# Altium PCB Minion.PcbDoc (part 9 of 10) (continued)
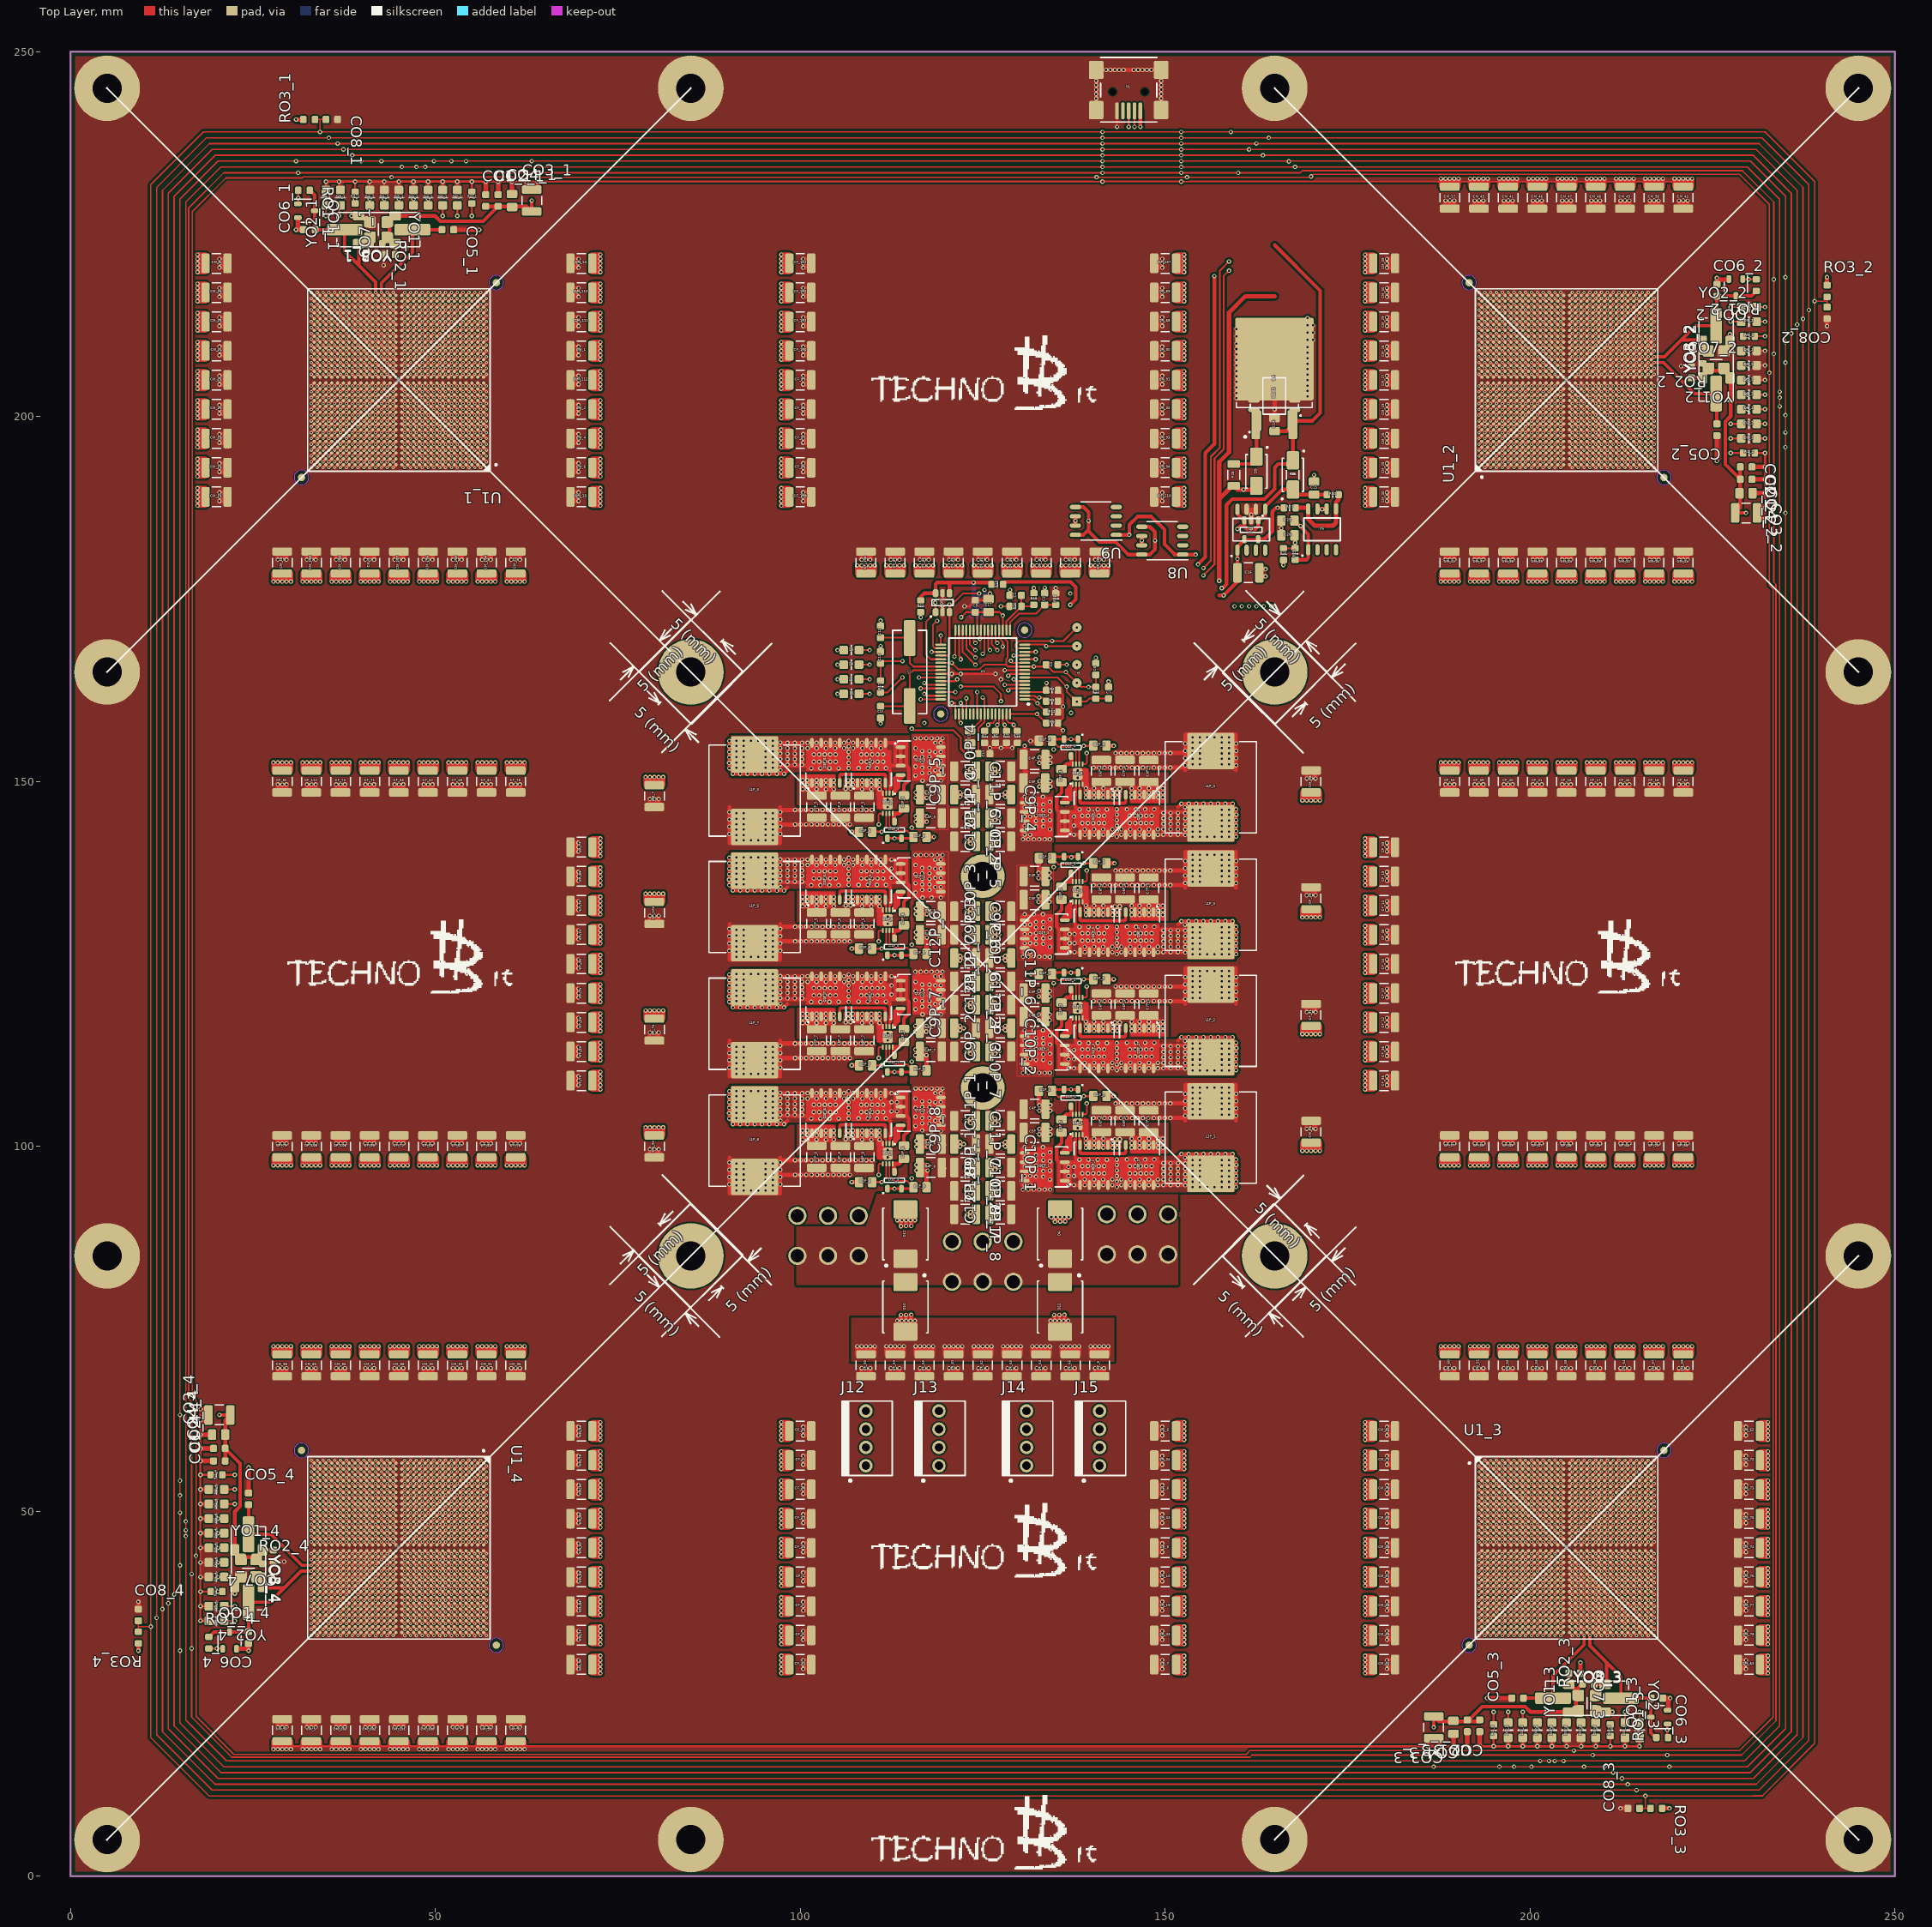
[diagram p0: Top Layer view]
## Nets (pads, with @x,y where several pads share a name; then routed paths per layer and width w, separated by ;. In a path a pad name is that pad's centre, name@x,y a point inside that pad or via, vN(x,y) a via of type N, cw(c..) or ccw(c..) an arc to the next point about the centre after c; other vN are vias at no path point) (continued)
  Top Layer w0.4: 111.5,136.35 111.685,136.165 112.324,135.525
  Top Layer w0.45: 112.33,133.145 112.33,135.52
  Top Layer w0.5: L1P_6.1@90.525,135.9 v1(91.25,135.9) v1(92.25,135.9) L1P_6.1@93.25,135.9 ; L1P_6.1@91.25,136.465 v1(91.25,139.6) ; L1P_6.1@91.64,137.51 L1P_6.1@93.25,135.9 ; L1P_6.1@92.25,136.465 v1(92.25,139.6) ; v1(95.25,135.9) 94.25,135.9 L1P_6.1@93.25,135.9 ; L1P_6.1@95.25,136.465 v1(95.25,139.6) ; L1P_6.1@95.275,139.3 L1P_6.1@93.75,137.775 91.975,139.55 v1(90.275,139.55) v1(90.275,138.8) v1(90.275,138.05) v1(90.275,137.3) v1(90.275,135.8) 91.025,135.05 v1(91.75,135.05) v1(92.75,135.05) v1(93.75,135.05) v1(94.75,135.05) v1(95.75,135.05) v1(97.775,135.05) 98.25,135.525 ; L1P_6.1@95.275,139.325 v1(97.25,139.325) 97.25,136.19 L1P_6.1@95.36,136.19 ; L1P_6.1@96.25,136.465 v1(96.25,139.6) ; v1@97.25,136.165 v1@98.25,136.165 ; v1@97.25,139.3 v1(98.25,139.3) ; 113,139.145 113,136.165 ; C3P_6.2@114.2,132.1 114.2,133.5 114.875,134.175 114.875,135.818 114.528,136.165 ; v1@98.25,136.165 v1@99.25,136.165 ; v1@98.25,136.165 v1(98.25,139.3) ; v1(98.25,139.3) v1(99.25,139.3) ; v1@99.25,136.165 v1(99.25,139.3) ; v1@99.25,136.165 v1@100.25,136.165 ; v1(99.25,139.3) v1(100.25,139.3) ; v1@100.25,136.165 106.622,136.165 ; v1@100.25,136.165 v1(100.25,139.3) ; v1(100.25,139.3) Q3P_6.8@101.595,139.3 Q3P_6.7@102.865,139.3 Q3P_6.6@104.135,139.3 Q3P_6.5@105.405,139.3 v1@106.622,139.3 ; 106.622,136.165 111.685,136.165 113,136.165 ; 106.622,136.165 v1@106.622,139.3 ; v1@106.622,139.3 Q2P_6.8@107.84,139.3 Q2P_6.7@109.11,139.3 Q2P_6.6@110.38,139.3 Q2P_6.5@111.65,139.3 113.75,139.3 ; 113,136.165 Q1P_6.3@113.75,136.165 ; Q1P_6.3@113.75,136.165 Q1P_6.2@113.75,137.435 Q1P_6.1@113.75,138.705 113.75,139.3 ; Q1P_6.3@113.75,136.165 114.528,136.165 ; 113.75,139.3 114.528,139.3 114.528,136.165
  other v1: 90.75,135.05 96.775,135.05 97.275,135.55 101.5,135.8 102.75,135.8 104,135.8 105.25,135.8 106.622,135.818 107.995,135.836 109.245,135.836 110.495,135.836 111.745,135.836 96.25,135.9 98.25,136.3 99.25,136.3 100.25,136.3 97.25,136.325 90.25,136.55 106.622,136.55 91.25,136.6 92.25,136.6 95.25,136.6 96.25,136.6 101.85,136.7 102.6,136.7 103.35,136.7 104.1,136.7 104.85,136.7 108.35,136.7 109.1,136.7 109.85,136.7 110.6,136.7 111.35,136.7 112.5,136.8 98.25,137.05 99.25,137.05 100.25,137.05 97.25,137.075 106.622,137.3 91.25,137.35 92.25,137.35 95.25,137.35 96.25,137.35 101.85,137.7 102.6,137.7 103.35,137.7 104.1,137.7 104.85,137.7 108.35,137.7 109.1,137.7 109.85,137.7 110.6,137.7 111.35,137.7 98.25,137.8 99.25,137.8 100.25,137.8 97.25,137.825 106.622,138.05 112.5,138.05 91.25,138.1 92.25,138.1 95.25,138.1 96.25,138.1 98.25,138.55 99.25,138.55 100.25,138.55 101,138.55 102.23,138.55 103.5,138.55 104.77,138.55 106,138.55 107.25,138.55 108.5,138.55 109.745,138.55 111.025,138.55 97.25,138.575 106.622,138.8 91.25,138.85 92.25,138.85 95.25,138.85 96.25,138.85 101,139.3 102.23,139.3 103.5,139.3 104.77,139.3 106,139.3 107.25,139.3 108.475,139.3 109.745,139.3 111.015,139.3 112.5,139.3 106.622,139.55 93.25,139.6 94.25,139.6
SWN7: C3P_7.2 L1P_7.1 pad.0@113.75,121.435 Q1P_7.1 Q1P_7.2 Q1P_7.3 Q2P_7.5 Q2P_7.6 Q2P_7.7 Q2P_7.8 Q3P_7.5 Q3P_7.6 Q3P_7.7 Q3P_7.8 U1P_7.2 | length 111
  Top Layer w0.25: U1P_7.2@112.225,116.4 112.225,117.746 112.33,117.85
  Top Layer w0.4: 111.5,120.35 111.685,120.165 112.324,119.525
  Top Layer w0.45: 112.33,117.145 112.33,117.85 112.33,119.52
  Top Layer w0.5: L1P_7.1@90.525,119.9 v1(91.25,119.9) v1(92.25,119.9) L1P_7.1@93.25,119.9 ; L1P_7.1@91.25,120.465 v1(91.25,123.6) ; L1P_7.1@91.64,121.51 L1P_7.1@93.25,119.9 ; L1P_7.1@92.25,120.465 v1(92.25,123.6) ; v1(95.25,119.9) L1P_7.1@93.25,119.9 ; L1P_7.1@95.25,120.465 v1(95.25,123.6) ; L1P_7.1@95.275,123.3 L1P_7.1@93.75,121.775 91.975,123.55 v1(90.275,123.55) v1(90.275,122.8) v1(90.275,122.05) v1(90.275,121.3) v1(90.275,119.8) 91.025,119.05 v1(91.75,119.05) v1(92.75,119.05) v1(93.75,119.05) v1(94.75,119.05) v1(95.75,119.05) v1(97.775,119.05) 98.25,119.525 ; L1P_7.1@95.275,123.325 v1(97.25,123.325) 97.25,120.19 L1P_7.1@95.36,120.19 ; L1P_7.1@96.25,120.465 v1(96.25,123.6) ; v1@97.25,120.165 v1@98.25,120.165 ; v1@97.25,123.3 v1(98.25,123.3) ; 113,123.145 113,120.165 ; C3P_7.2@114.2,116.1 114.2,117.5 114.875,118.175 114.875,119.818 114.528,120.165 ; v1@98.25,120.165 v1(98.25,123.3) ; v1@98.25,120.165 v1@99.25,120.165 ; v1(98.25,123.3) v1(99.25,123.3) ; v1@99.25,120.165 v1@100.25,120.165 ; v1@99.25,120.165 v1(99.25,123.3) ; v1(99.25,123.3) v1(100.25,123.3) ; v1@100.25,120.165 v1(100.25,123.3) ; v1@100.25,120.165 106.622,120.165 ; v1(100.25,123.3) v1@106.622,123.3 ; 106.622,120.165 v1@106.622,123.3 ; 106.622,120.165 111.685,120.165 113,120.165 ; v1@106.622,123.3 113.75,123.3 ; 113,120.165 Q1P_7.3@113.75,120.165 ; Q1P_7.3@113.75,120.165 114.528,120.165 ; Q1P_7.3@113.75,120.165 Q1P_7.2@113.75,121.435 113.75,123.3 ; 113.75,123.3 114.528,123.3 114.528,120.165
  other v1: 90.75,119.05 96.775,119.05 97.275,119.55 101.5,119.8 102.75,119.8 104,119.8 105.25,119.8 106.622,119.818 107.995,119.836 109.245,119.836 110.495,119.836 111.745,119.836 96.25,119.9 98.25,120.3 99.25,120.3 100.25,120.3 97.25,120.325 90.25,120.55 106.622,120.55 91.25,120.6 92.25,120.6 95.25,120.6 96.25,120.6 101.85,120.7 102.6,120.7 103.35,120.7 104.1,120.7 104.85,120.7 108.35,120.7 109.1,120.7 109.85,120.7 110.6,120.7 111.35,120.7 112.5,120.8 98.25,121.05 99.25,121.05 100.25,121.05 97.25,121.075 106.622,121.3 91.25,121.35 92.25,121.35 95.25,121.35 96.25,121.35 101.85,121.7 102.6,121.7 103.35,121.7 104.1,121.7 104.85,121.7 108.35,121.7 109.1,121.7 109.85,121.7 110.6,121.7 111.35,121.7 98.25,121.8 99.25,121.8 100.25,121.8 97.25,121.825 106.622,122.05 112.5,122.05 91.25,122.1 92.25,122.1 95.25,122.1 96.25,122.1 98.25,122.55 99.25,122.55 100.25,122.55 101,122.55 102.23,122.55 103.5,122.55 104.77,122.55 106,122.55 107.25,122.55 108.5,122.55 109.745,122.55 111.025,122.55 97.25,122.575 106.622,122.8 91.25,122.85 92.25,122.85 95.25,122.85 96.25,122.85 101,123.3 102.23,123.3 103.5,123.3 104.77,123.3 106,123.3 107.25,123.3 108.475,123.3 109.745,123.3 111.015,123.3 112.5,123.3 106.622,123.55 93.25,123.6 94.25,123.6
SWN8: C3P_8.2 L1P_8.1 pad.0@113.75,105.435 Q1P_8.1 Q1P_8.2 Q1P_8.3 Q2P_8.5 Q2P_8.6 Q2P_8.7 Q2P_8.8 Q3P_8.5 Q3P_8.6 Q3P_8.7 Q3P_8.8 U1P_8.2 | length 111.1
  Top Layer w0.25: U1P_8.2@112.225,100.4 112.225,101.82 112.33,101.925
  Top Layer w0.4: 111.5,104.35 111.685,104.165 112.324,103.525
  Top Layer w0.45: 112.33,101.145 112.33,101.925 112.33,103.52
  Top Layer w0.5: L1P_8.1@90.525,103.9 v1(91.25,103.9) v1(92.25,103.9) L1P_8.1@93.25,103.9 ; L1P_8.1@91.25,104.465 v1(91.25,107.6) ; L1P_8.1@91.64,105.51 L1P_8.1@93.25,103.9 ; L1P_8.1@92.25,104.465 v1(92.25,107.6) ; v1(95.25,103.9) L1P_8.1@93.25,103.9 ; L1P_8.1@95.25,104.465 v1(95.25,107.6) ; L1P_8.1@95.275,107.3 L1P_8.1@93.75,105.775 91.975,107.55 v1(90.275,107.55) v1(90.275,106.8) v1(90.275,106.05) v1(90.275,105.3) v1(90.275,103.8) 91.025,103.05 v1(91.75,103.05) v1(92.75,103.05) v1(93.75,103.05) v1(94.75,103.05) v1(95.75,103.05) v1(97.775,103.05) 98.25,103.525 ; L1P_8.1@95.275,107.325 v1(97.25,107.325) 97.25,104.19 L1P_8.1@95.36,104.19 ; L1P_8.1@96.25,104.465 v1(96.25,107.6) ; v1@97.25,104.165 v1@98.25,104.165 ; v1@97.25,107.3 v1(98.25,107.3) ; v1@113,107.145 113,104.165 ; C3P_8.2@114.2,100.1 114.2,101.5 114.875,102.175 114.875,103.818 114.528,104.165 ; v1@98.25,104.165 v1@99.25,104.165 ; v1@98.25,104.165 v1(98.25,107.3) ; v1(98.25,107.3) v1(99.25,107.3) ; v1@99.25,104.165 v1(99.25,107.3) ; v1@99.25,104.165 v1@100.25,104.165 ; v1(99.25,107.3) v1(100.25,107.3) ; v1@100.25,104.165 106.622,104.165 ; v1@100.25,104.165 v1(100.25,107.3) ; v1(100.25,107.3) v1@106.622,107.3 ; 106.622,104.165 111.685,104.165 113,104.165 ; 106.622,104.165 v1@106.622,107.3 ; v1@106.622,107.3 113.75,107.3 ; 113,104.165 Q1P_8.3@113.75,104.165 ; Q1P_8.3@113.75,104.165 Q1P_8.2@113.75,105.435 113.75,107.3 ; Q1P_8.3@113.75,104.165 114.528,104.165 ; 113.75,107.3 114.528,107.3 114.528,104.165
  other v1: 90.75,103.05 96.775,103.05 97.275,103.55 101.5,103.8 102.75,103.8 104,103.8 105.25,103.8 106.622,103.818 107.995,103.836 109.245,103.836 110.495,103.836 111.745,103.836 96.25,103.9 98.25,104.3 99.25,104.3 100.25,104.3 97.25,104.325 90.25,104.55 106.622,104.55 91.25,104.6 92.25,104.6 95.25,104.6 96.25,104.6 101.85,104.7 102.6,104.7 103.35,104.7 104.1,104.7 104.85,104.7 108.35,104.7 109.1,104.7 109.85,104.7 110.6,104.7 111.35,104.7 112.5,104.8 113.25,104.8 98.25,105.05 99.25,105.05 100.25,105.05 97.25,105.075 106.622,105.3 91.25,105.35 92.25,105.35 95.25,105.35 96.25,105.35 101.85,105.7 102.6,105.7 103.35,105.7 104.1,105.7 104.85,105.7 108.35,105.7 109.1,105.7 109.85,105.7 110.6,105.7 111.35,105.7 98.25,105.8 99.25,105.8 100.25,105.8 97.25,105.825 106.622,106.05 112.5,106.05 113.25,106.05 91.25,106.1 92.25,106.1 95.25,106.1 96.25,106.1 98.25,106.55 99.25,106.55 100.25,106.55 101,106.55 102.23,106.55 103.5,106.55 104.77,106.55 106,106.55 107.25,106.55 108.5,106.55 109.745,106.55 111.025,106.55 97.25,106.575 106.622,106.8 91.25,106.85 92.25,106.85 95.25,106.85 96.25,106.85 101,107.3 102.23,107.3 103.5,107.3 104.77,107.3 106,107.3 107.25,107.3 108.475,107.3 109.745,107.3 111.015,107.3 112.5,107.3 113.25,107.3 106.622,107.55 93.25,107.6 94.25,107.6
TEST_MODE1: RI2_1.1 U1_1.AK3 | length 12.4
  Top Layer w0.25: v1(55,227.5) RI2_1.1@55,229.2
  Mid-Bottom Layer w0.25: v1(55,227.5) 55,217.4 v2(55.4,217)
TEST_MODE2: RI2_2.1 U1_2.AK3 | length 23
  Top Layer w0.25: v1(227.5,195) RI2_2.1@229.2,195
  Mid-Bottom Layer w0.25: 217.4,195 v2(217,194.6) 217.4,195 ; 217.4,195 v1(227.5,195) 217.4,195
TEST_MODE3: RI2_3.1 U1_3.AK3 | length 23
  Top Layer w0.25: RI2_3.1@195,20.8 v1(195,22.5)
  Mid-Bottom Layer w0.25: 195,32.6 v2(194.6,33) 195,32.6 ; 195,32.6 v1(195,22.5) 195,32.6
TEST_MODE4: RI2_4.1 U1_4.AK3 | length 23
  Top Layer w0.25: RI2_4.1@20.8,55 v1(22.5,55)
  Mid-Bottom Layer w0.25: 32.6,55 v1(22.5,55) 32.6,55 ; 32.6,55 v2(33,55.4) 32.6,55
TP8: U1.33 | length 1.3
  Top Layer w0.25: U1.33@119.25,168.75 v1(119.25,170)
TP9: U1.30 | length 5.5
  Top Layer w0.25: U1.30@122.25,170.75 122.25,167.75 v1(124,166)
TP10: U1.29 | length 4.3
  Top Layer w0.25: U1.29@122.75,170.75 122.75,168.25 v1(124,167)
TP11: U1.28 | length 3.1
  Top Layer w0.25: U1.28@123.25,170.75 123.25,168.75 v1(124,168)
TP12: U1.27 | length 1.9
  Top Layer w0.25: U1.27@123.75,170.75 123.75,169.25 v1(124,169)
TP13: U1.24 | length 3.4
  Top Layer w0.25: v1(125,167.5) 125.25,167.75 U1.24@125.25,170.75
TP14: U1.23 | length 2.9
  Top Layer w0.25: U1.23@125.75,170.75 125.75,168.25 v1(126,168)
TP15: U1.22 | length 3.1
  Top Layer w0.25: U1.22@126.25,170.75 126.25,168.75 v1(127,168)
TP16: U1.21 | length 1.9
  Top Layer w0.25: U1.21@126.75,170.75 126.75,169.25 v1(127,169)
U2RX: U1.31 | length 4.1
  Top Layer w0.25: U1.31@121.75,170.75 121.75,167.25 122,167 v1(122,166.75)
U2TX: U1.32 | length 3.9
  Top Layer w0.25: v1@121,167 121.25,167.25 U1.32@121.25,170.75
  other v1: 121.125,167.125
USB5.0V: D5.4 D5.6 J2.1 R23.1 R25.2 | length 121.7
  Top Layer w0.5: R23.1@116.5,174.8 116.5,175.3 117,175.8 D5.6@118.55,175.8 118.55,177.05 118.75,177.25 120.45,177.25 ; 120.45,176.55 D5.4@120.45,175.8 120.45,177.25 ; R25.2@126.2,177 125.95,177.25 v1(123.75,177.25) 120.45,177.25 ; v1(146.6,239.7) J2.1@146.6,241.9 ; v1(154.5,179.75) 155.5,180.75 155.5,195 156.75,196.25 v1(156.75,219.25)
  Mid-Bottom Layer w0.5: v1(123.75,177.25) 125.3,178.8 153.55,178.8 v1(154.5,179.75) ; v1(146.6,239.7) 146.6,234.461 159.5,221.561 159.5,219.689 159.061,219.25 v1(156.75,219.25)
  Bottom Layer w0.5: 123.4,172.4 123.4,174.327 123.75,174.677 v1(123.75,177.25)
VCAP: C1.1 U1.56 | length 3
  Top Layer w0.25: C1.1@123.25,157 123.42,157 124.75,158.33 U1.56@124.75,159.25
XCLK: QO1_1.1 QO1_2.1 QO1_3.1 QO1_4.1 RO1_1.1 RO1_2.1 RO1_3.1 RO1_4.1 U1.55 | length 986.9
  Top Layer w0.2: v1@31.15,233.4 21,233.4 16.2,228.6 16.2,65.4 16.6,65 v1(16.6,41.4) 16.6,21.8 22.1,16.3 161.6,16.3 161.9,16.6 v1(208.6,16.6) 229,16.6 233.7,21.3 233.7,177 233.4,177.3 233.4,229.4 229.1,233.7 168.8,233.7 168.5,233.4 140.6,233.4 ; v1(31.2,233.4) v1(141.4,233.4)
  Top Layer w0.25: RO1_4.1@19,31.2 QO1_4.1@20.8,31.2 ; QO1_1.1@31.15,229.15 31.2,229.2 RO1_1.1@31.2,231 ; U1.55@124.25,159.25 v1(124.25,162.25) ; RO1_3.1@218.8,19 QO1_3.1@218.8,20.8 ; QO1_2.1@229.2,218.8 RO1_2.1@231,218.8
  Mid-Top Layer w0.25: v1(16.6,31.2) v1(20.05,31.2) ; v1(31.2,229.95) v1(31.2,233.4) ; v1@160,233.5 v1(160,233.4) 160.5,232.9 160.5,201.225 159.5,200.225 159.5,188.8 160.525,187.775 160.525,174.025 v1(160.5,174) ; v1(218.8,16.6) v1(218.8,20.05) ; v1(229.95,218.8) v1(233.4,218.8)
  Mid-Bottom Layer w0.25: v1(124.25,162.25) 124.25,163.25 129.425,168.425 129.425,171.925 130.5,173 159.454,173 160.254,173.8 160.3,173.8 v1(160.5,174)
  other v1: 233.4,208.6 152.2,233.4
XCLK1: CO6_1.1 QO1_1.3 RO1_1.2 RO2_1.1 U1_1.AK19 YO1_1.3 YO2_1.2 YO3_1.3 YO4_1.3 YO5_1.3 | length 24.7
  Top Layer w0.45: RO1_1.2@32.8,231 33.45,230.35 QO1_1.3@33.45,228.2 33.45,225.65 CO6_1.1@33.5,225.6 YO2_1.2@37.55,225.6 37.55,222.65 39.5,220.7 ; RO2_1.1@41.1,223.7 YO1_1.3@39.5,223.7 39.5,220.7 ; v2(41.8,217) 41.8,218.4 39.5,220.7
XCLK2: CO6_2.1 QO1_2.3 RO1_2.2 RO2_2.1 U1_2.AK19 YO1_2.3 YO2_2.2 YO3_2.3 YO4_2.3 YO5_2.3 | length 24.7
  Top Layer w0.45: v2(217,208.2) 218.4,208.2 220.7,210.5 ; RO2_2.1@223.7,208.9 223.7,210.5 220.7,210.5 ; RO1_2.2@231,217.2 230.35,216.55 QO1_2.3@228.2,216.55 225.65,216.55 CO6_2.1@225.6,216.5 225.6,212.45 222.65,212.45 220.7,210.5
XCLK3: CO6_3.1 QO1_3.3 RO1_3.2 RO2_3.1 U1_3.AK19 YO1_3.3 YO2_3.2 YO3_3.3 YO4_3.3 YO5_3.3 | length 26.3
  Top Layer w0.45: v2(208.2,33) 208.2,31.6 210.5,29.3 ; RO2_3.1@208.8,26.3 208.8,25 YO3_3.3@209,24.8 ; RO2_3.1@208.9,26.3 YO1_3.3@210.3,26.3 210.5,26.3 210.5,29.3 ; RO1_3.2@217.2,19 216.55,19.65 QO1_3.3@216.55,21.8 216.55,24.35 216.5,24.4 YO2_3.2@212.45,24.4 212.45,27.35 210.5,29.3
XCLK4: CO6_4.1 QO1_4.3 RO1_4.2 RO2_4.1 U1_4.AK19 YO1_4.3 YO2_4.2 YO3_4.3 YO4_4.3 YO5_4.3 | length 24.7
  Top Layer w0.45: RO1_4.2@19,32.8 19.65,33.45 QO1_4.3@21.8,33.45 24.35,33.45 CO6_4.1@24.4,33.5 YO2_4.2@24.4,37.55 27.35,37.55 29.3,39.5 ; RO2_4.1@26.3,41.1 26.3,39.5 29.3,39.5 ; v2(33,41.8) 31.6,41.8 29.3,39.5
XCLK_OUT1: CO5_1.1 DI9_1.2 U1_1.AK18 YO2_1.1 | length 28.8
  Top Layer w0.25: v1(36.8,227.5) 36.8,228.75 DI9_1.2@37,228.95
  Top Layer w0.45: v2(42.6,217) 42.6,218.3 46.85,222.55 YO2_1.1@46.85,225.6 CO5_1.1@50.9,225.6
  Mid-Bottom Layer w0.25: v1(36.8,227.5) 36.8,222.8 v2(42.6,217)
XCLK_OUT2: CO5_2.1 DI9_2.2 U1_2.AK18 YO2_2.1 | length 41.5
  Top Layer w0.25: v1(227.5,213) DI9_2.2@228.95,213
  Top Layer w0.45: v2(217,207.4) 218.3,207.4 222.55,203.15 225.6,203.15 CO5_2.1@225.6,199.1
  Mid-Bottom Layer w0.25: 222.6,213 v2(217,207.4) 222.6,213 ; 222.6,213 v1(227.5,213) 222.6,213
XCLK_OUT3: CO5_3.1 DI9_3.2 U1_3.AK18 YO2_3.1 | length 41.5
  Top Layer w0.25: DI9_3.2@213,21.05 v1(213,22.5)
  Top Layer w0.45: CO5_3.1@199.1,24.4 YO2_3.1@203.15,24.4 203.15,27.45 207.4,31.7 v2(207.4,33)
  Mid-Bottom Layer w0.25: 213,27.4 v2(207.4,33) 213,27.4 ; 213,27.4 v1(213,22.5) 213,27.4
XCLK_OUT4: CO5_4.1 DI9_4.2 U1_4.AK18 YO2_4.1 | length 41.5
  Top Layer w0.25: DI9_4.2@21.05,37 v1(22.5,37)
  Top Layer w0.45: CO5_4.1@24.4,50.9 YO2_4.1@24.4,46.85 27.45,46.85 31.7,42.6 v2(33,42.6)
  Mid-Bottom Layer w0.25: 27.4,37 v1(22.5,37) 27.4,37 ; 27.4,37 v2(33,42.6) 27.4,37
XCLK_TP1: U1.46 | length 2
  Top Layer w0.25: U1.46@119.25,162.25 v1(121.25,162.25)
XCLK_TP2: U1.49 | length 2
  Top Layer w0.25: v1(120.75,160.75) 121.25,160.75 U1.49@121.25,159.25
XCLK_TP3: U1.52 | length 2.2
  Top Layer w0.25: U1.52@122.75,159.25 v1(122.75,161.4)
XCLK_TP4: U1.53
XCLK_TP5: U1.54
XCLK_TP6: U1.58
XCLK_TP7: U1.59
YELLOW: D3.2 U1.44 | length 14.3
  Top Layer w0.25: D3.2@108.05,168 v1(109.5,168) ; v1(117,163.5) 117.25,163.25 U1.44@119.25,163.25
  Mid-Top Layer w0.25: v1(109.5,168) 111.25,166.25 111.25,164.4 112.15,163.5 v1(117,163.5)
pads on no net: J2.4 J2.10 J2.11 U1.65 U1.66 U1_1.FID1 U1_1.FID2 U1_2.FID1 U1_2.FID2 U1_3.FID1 U1_3.FID2 U1_4.FID1 U1_4.FID2 U6.2 U6.3 U6.4 U7.2 U7.3 U7.4 U8.2 U8.3 U8.4 U9.2 U9.3 U9.4

## Polygon pours and split planes (outlines as drawn)
GND on Mid-Top Layer "Mid Top Layer-GND" (solid, pour order 769): 0,0 0,250 250,250 250,0
0.8V on Mid-Top Layer "1.2VPS MT" (solid, remove dead copper, pour order 774): 98.158,147.989 98.158,92.939 89.158,92.939 89.158,147.644 89.408,147.989
SWN4 on Mid-Top Layer "SWN1 MidTop" (solid, remove dead copper, pour order 699): 160,141.7 160,147.3 137.2,147.3 137.207,147.292 137.207,141.7
12V on Mid-Top Layer "12F1" (solid, remove dead copper, pour order 707): 136.474,140.823 136.449,140.8 129.774,140.8 129.774,148.8 136.474,148.8
0.8V on Mid-Top Layer "1.2VPS MT" (solid, remove dead copper, pour order 773): 151.85,101.95 151.85,157 160.85,157 160.85,102.294 160.6,101.95
SWN1 on Mid-Top Layer "SWN1 MidTop" (solid, remove dead copper, pour order 703): 160,93.7 160,99.3 136.525,99.3 136.532,99.292 136.532,93.7
12V on Mid-Top Layer "12F1" (solid, remove dead copper, pour order 711): 136.473,93.671 136.448,93.65 129.773,93.65 129.773,100.8 136.473,100.8
SWN2 on Mid-Top Layer "SWN1 MidTop" (solid, remove dead copper, pour order 700): 160,109.7 160,115.3 136.525,115.3 136.532,115.292 136.532,109.7
SWN3 on Mid-Top Layer "SWN1 MidTop" (solid, remove dead copper, pour order 696): 160,125.6 160,131.2 136.525,131.2 136.532,131.192 136.532,125.6
12V on Mid-Top Layer "12F1" (solid, remove dead copper, pour order 708): 136.473,108.823 136.448,108.8 129.773,108.8 129.773,116.8 136.473,116.8
12V on Mid-Top Layer "12F1" (solid, remove dead copper, pour order 704): 136.473,124.723 136.448,124.7 129.773,124.7 129.773,132.7 136.473,132.7
SWN7 on Mid-Top Layer "SWN1 MidTop" (solid, remove dead copper, pour order 702): 90,124.3 90,118.7 113.225,118.7 113.218,118.708 113.218,124.3
12V on Mid-Top Layer "12F1" (solid, remove dead copper, pour order 710): 113.526,124.329 113.551,124.35 120.226,124.35 120.226,117.2 113.526,117.2
SWN8 on Mid-Top Layer "SWN1 MidTop" (solid, remove dead copper, pour order 698): 90,108.3 90,102.7 113.875,102.7 113.868,102.708 113.868,108.3
12V on Mid-Top Layer "12F1" (solid, remove dead copper, pour order 706): 113.526,109.177 113.551,109.2 120.226,109.2 120.226,101.2 113.526,101.2
SWN5 on Mid-Top Layer "SWN1 MidTop" (solid, remove dead copper, pour order 701): 90,156.3 90,150.7 112.6,150.7 112.593,150.708 112.593,156.3
12V on Mid-Top Layer "12F1" (solid, remove dead copper, pour order 709): 115.5,156.329 115.518,156.35 120.226,156.35 120.226,149.2 115.5,149.2
SWN6 on Mid-Top Layer "SWN1 MidTop" (solid, remove dead copper, pour order 697): 90,140.3 90,134.7 112.8,134.7 112.793,134.708 112.793,140.3
12V on Mid-Top Layer "12F1" (solid, remove dead copper, pour order 705): 113.526,141.177 113.551,141.2 120.226,141.2 120.226,133.2 113.526,133.2
GND on Bottom Layer "Bottom Layer-GND" (solid, pour order 771): 0,0 0,250 250,250 250,0
0.8V on Bottom Layer "PS0.8V" (solid, remove dead copper, pour order 686): 139.809,151.556 139.809,152.009 140.45,152.65 141.95,154.15 143.45,154.15 145.95,156.65 159.95,156.65 159.95,151.453 160.003,151.4
GND on Bottom Layer "PSGND" (solid, remove dead copper, pour order 678): 160.2,147.4 160.2,151.4 139.65,151.4 139.7,151.45 139.7,151.65 142.45,154.4 143.45,154.4 143.45,155.9 136.7,155.9 136.7,147.4
SWN4 on Bottom Layer "SWN4 Bottom" (solid, remove dead copper, pour order 694): 160.003,138.15 160.003,147.3 136.481,147.3 136.488,147.287 136.488,138.15
12V on Bottom Layer "12F1" (solid, remove dead copper, pour order 667): 136.488,140.915 136.463,140.892 129.788,140.892 129.788,148.892 136.488,148.892
0.8V on Bottom Layer "PS0.8V" (solid, remove dead copper, pour order 683): 139.908,135.456 139.908,135.909 140.55,136.55 142.05,138.05 143.55,138.05 146.05,140.55 160.05,140.55 160.05,135.353 160.103,135.3
0.8V on Bottom Layer "PS0.8V" (solid, remove dead copper, pour order 687): 139.808,119.556 139.808,120.009 140.45,120.65 141.95,122.15 143.45,122.15 145.95,124.65 159.95,124.65 159.95,119.453 160.003,119.4
0.8V on Bottom Layer "PS0.8V" (solid, remove dead copper, pour order 682): 139.808,103.556 139.808,104.009 140.45,104.65 141.95,106.15 143.45,106.15 145.95,108.65 159.95,108.65 159.95,103.453 160.003,103.4
GND on Bottom Layer "PSGND" (solid, remove dead copper, pour order 675): 160.2,99.4 160.2,103.4 139.65,103.4 139.7,103.45 139.7,104.15 141.95,106.4 143.45,106.4 143.45,107.9 136.7,107.9 136.7,99.4
GND on Bottom Layer "PSGND" (solid, remove dead copper, pour order 679): 160.2,115.4 160.2,119.4 139.65,119.4 139.7,119.45 139.7,119.65 142.45,122.4 143.45,122.4 143.45,123.9 136.7,123.9 136.7,115.4
GND on Bottom Layer "PSGND" (solid, remove dead copper, pour order 672): 160.2,131.3 160.2,135.3 139.65,135.3 139.7,135.35 139.7,135.9 140.95,137.15 141.95,138.15 143.45,138.15 143.45,139.8 136.7,139.8 136.7,131.3
12V on Bottom Layer "12F1" (solid, remove dead copper, pour order 671): 136.488,92.915 136.463,92.892 129.788,92.892 129.788,100.892 136.488,100.892
SWN1 on Bottom Layer "SWN1 Bottom" (solid, remove dead copper, pour order 690): 160.003,92.4 160.003,99.3 136.481,99.3 136.488,99.29 136.488,92.4
SWN2 on Bottom Layer "SWN1 Bottom" (solid, remove dead copper, pour order 695): 160.003,106.15 160.003,115.3 136.481,115.3 136.488,115.287 136.488,106.15
12V on Bottom Layer "12F1" (solid, remove dead copper, pour order 668): 136.488,108.915 136.463,108.892 129.788,108.892 129.788,116.892 136.488,116.892
SWN3 on Bottom Layer "SWN1 Bottom" (solid, remove dead copper, pour order 691): 160.003,122.65 160.003,131.2 136.481,131.2 136.488,131.188 136.488,122.65
12V on Bottom Layer "12F1" (solid, remove dead copper, pour order 664): 136.488,124.815 136.463,124.792 129.788,124.792 129.788,132.792 136.488,132.792
0.8V on Bottom Layer "PS0.8V" (solid, remove dead copper, pour order 685): 110.192,98.444 110.192,97.992 109.55,97.35 108.05,95.85 106.55,95.85 104.05,93.35 90.05,93.35 90.05,98.547 89.997,98.6
0.8V on Bottom Layer "PS0.8V" (solid, remove dead copper, pour order 681): 110.191,114.444 110.191,113.992 109.55,113.35 108.05,111.85 106.55,111.85 104.05,109.35 90.05,109.35 90.05,114.547 89.997,114.6
GND on Bottom Layer "PSGND" (solid, remove dead copper, pour order 674): 89.8,118.6 89.8,114.6 110.35,114.6 110.3,114.55 110.3,113.85 108.05,111.6 106.55,111.6 106.55,110.1 113.3,110.1 113.3,118.6
GND on Bottom Layer "PSGND" (solid, remove dead copper, pour order 677): 89.8,102.6 89.8,98.6 110.35,98.6 110.3,98.55 110.3,98.35 107.55,95.6 106.55,95.6 106.55,94.1 113.3,94.1 113.3,102.6
12V on Bottom Layer "12F1" (solid, remove dead copper, pour order 670): 113.512,125.085 113.537,125.108 120.212,125.108 120.212,117.108 113.512,117.108
SWN7 on Bottom Layer "SWN1 Bottom" (solid, remove dead copper, pour order 689): 89.997,125.6 89.997,118.7 113.519,118.7 113.512,118.71 113.512,125.6
SWN8 on Bottom Layer "SWN1 Bottom" (solid, remove dead copper, pour order 693): 89.997,111.85 89.997,102.7 113.519,102.7 113.512,102.713 113.512,111.85
12V on Bottom Layer "12F1" (solid, remove dead copper, pour order 666): 113.512,109.085 113.537,109.108 120.212,109.108 120.212,101.108 113.512,101.108
0.8V on Bottom Layer "PS0.8V" (solid, remove dead copper, pour order 684): 110.192,130.444 110.192,129.992 109.55,129.35 108.05,127.85 106.55,127.85 104.05,125.35 90.05,125.35 90.05,130.547 89.997,130.6
0.8V on Bottom Layer "PS0.8V" (solid, remove dead copper, pour order 680): 110.191,146.444 110.191,145.992 109.55,145.35 108.05,143.85 106.55,143.85 104.05,141.35 90.05,141.35 90.05,146.547 89.997,146.6
GND on Bottom Layer "PSGND" (solid, remove dead copper, pour order 673): 89.8,150.6 89.8,146.6 110.35,146.6 110.3,146.55 110.3,145.85 108.05,143.6 106.55,143.6 106.55,142.1 113.3,142.1 113.3,150.6
GND on Bottom Layer "PSGND" (solid, remove dead copper, pour order 676): 89.8,134.6 89.8,130.6 110.35,130.6 110.3,130.55 110.3,130.35 107.55,127.6 106.55,127.6 106.55,126.1 113.3,126.1 113.3,134.6
12V on Bottom Layer "12F1" (solid, remove dead copper, pour order 669): 113.512,157.085 113.537,157.108 120.212,157.108 120.212,149.108 113.512,149.108
SWN5 on Bottom Layer "SWN1 Bottom" (solid, remove dead copper, pour order 688): 89.997,157.6 89.997,150.7 113.519,150.7 113.512,150.71 113.512,157.6
SWN6 on Bottom Layer "SWN1 Bottom" (solid, remove dead copper, pour order 692): 89.997,143.85 89.997,134.7 113.519,134.7 113.512,134.713 113.512,143.85
12V on Bottom Layer "12F1" (solid, remove dead copper, pour order 665): 113.512,141.085 113.537,141.108 120.212,141.108 120.212,133.108 113.512,133.108
GND on Top Layer "Top Layer-GND" (solid, pour order 778): 0,0 0,250 250,250 250,0
0.8V on Top Layer "Top Layer-0.8V" (solid, remove dead copper, pour order 772): 0,0 0,250 250,250 250,0
12V on Top Layer "Top 12V" (solid, pour order 768): 115.1,156.5 122,156.5 122,154.5 123.5,153 127,153 129,153 134.5,153 134.5,93.5 151.75,93.5 151.75,81 99.5,81 99.5,89 109,89 110.5,93.5 115,93.5
no net on Top Layer "12VPS Top" (solid, remove dead copper, shelved, pour order 759): 134.7,125.55 134.7,138.5 129.7,138.5 129.7,133.2 129.7,132.05 129.7,125.55
no net on Top Layer "12VPS Top" (solid, remove dead copper, shelved, pour order 758): 134.7,109.65 134.7,122.6 129.7,122.6 129.7,117.3 129.7,116.15 129.7,109.65
12V on Top Layer "12VPS Top" (solid, remove dead copper, pour order 757): 134.7,141.65 134.7,154.6 129.7,154.6 129.7,149.3 129.7,148.15 129.7,141.65
no net on Top Layer "12VPS Top" (solid, remove dead copper, shelved, pour order 756): 115.268,156.347 115.268,143.397 120.268,143.397 120.268,148.697 120.268,149.847 120.268,156.347
no net on Top Layer "12VPS Top" (solid, remove dead copper, shelved, pour order 755): 115.3,140.35 115.3,127.4 120.3,127.4 120.3,132.7 120.3,133.85 120.3,140.35
12V on Top Layer "12VPS Top" (solid, remove dead copper, pour order 754): 115.268,124.347 115.268,111.397 120.268,111.397 120.268,116.697 120.268,117.847 120.268,124.347
12V on Top Layer "12VPS Top" (solid, remove dead copper, pour order 753): 134.732,93.653 134.732,106.603 129.732,106.603 129.732,101.303 129.732,100.153 129.732,93.653
12V on Top Layer "12VPS Top" (solid, remove dead copper, pour order 752): 115.3,108.35 115.3,95.4 120.3,95.4 120.3,100.7 120.3,101.85 120.3,108.35
GND on Top Layer "Top TVS_GND" (solid, remove dead copper, pour order 663): 107,70.5 107,76.5 143,76.5 143,70.5
0.8V on Top Layer "PS1 0.8V" (solid, remove dead copper, pour order 749): 159.95,151.15 159.95,156.65 145.95,156.65 143.45,154.15 139.7,154.15 139.7,151.4 139.95,151.15
SWN4 on Top Layer "SWN4 Top" (solid, remove dead copper, pour order 739): 159.5,141.7 159.5,146.7 135,146.7 135.008,146.693 135.008,141.7
GND on Top Layer "GNDP2" (solid, remove dead copper, pour order 730): 150.45,147 150.45,151.25 138.8,151.25 138.8,151 138.8,147.65 138.95,147.5 143.85,147.5 144.05,147.7 144.05,148.975 144.225,149.15 145,149.15 145.15,149 145.15,147.125 145.275,147
0.8V on Top Layer "PS1 0.8V" (solid, remove dead copper, pour order 751): 159.95,135.05 159.95,140.55 145.95,140.55 143.45,138.05 139.7,138.05 139.7,135.3 139.95,135.05
0.8V on Top Layer "PS1 0.8V" (solid, remove dead copper, pour order 750): 159.95,119.15 159.95,124.65 145.95,124.65 143.45,122.15 139.7,122.15 139.7,119.4 139.95,119.15
0.8V on Top Layer "PS1 0.8V" (solid, remove dead copper, pour order 746): 159.95,103.15 159.95,108.65 145.95,108.65 143.45,106.15 139.7,106.15 139.7,103.4 139.95,103.15
SWN1 on Top Layer "SWN1 Top" (solid, remove dead copper, pour order 743): 159.5,93.7 159.5,98.7 135,98.7 135.007,98.693 135.007,93.7
SWN2 on Top Layer "SWN1 Top" (solid, remove dead copper, pour order 740): 159.5,109.7 159.5,114.7 135,114.7 135.007,114.693 135.007,109.7
SWN3 on Top Layer "SWN1 Top" (solid, remove dead copper, pour order 736): 159.5,125.6 159.5,130.6 135,130.6 135.007,130.593 135.007,125.6
GND on Top Layer "GNDP3" (solid, remove dead copper, pour order 732): 150.45,130.9 150.45,135.15 138.8,135.15 138.8,134.9 138.8,131.55 138.95,131.4 143.85,131.4 144.05,131.6 144.05,132.875 144.225,133.05 145,133.05 145.15,132.9 145.15,131.025 145.275,130.9
GND on Top Layer "GNDP2" (solid, remove dead copper, pour order 731): 150.45,115 150.45,119.25 138.8,119.25 138.8,119 138.8,115.65 138.95,115.5 143.85,115.5 144.05,115.7 144.05,116.975 144.225,117.15 145,117.15 145.15,117 145.15,115.125 145.275,115
GND on Top Layer "GNDP1" (solid, remove dead copper, pour order 735): 150.45,99 150.45,103.25 138.8,103.25 138.8,103 138.8,99.65 138.95,99.5 143.85,99.5 144.05,99.7 144.05,100.975 144.225,101.15 145,101.15 145.15,101 145.15,99.125 145.275,99